# Altium PCB PCB SOM AM625.PcbDoc (part 4 of 6) (continued)
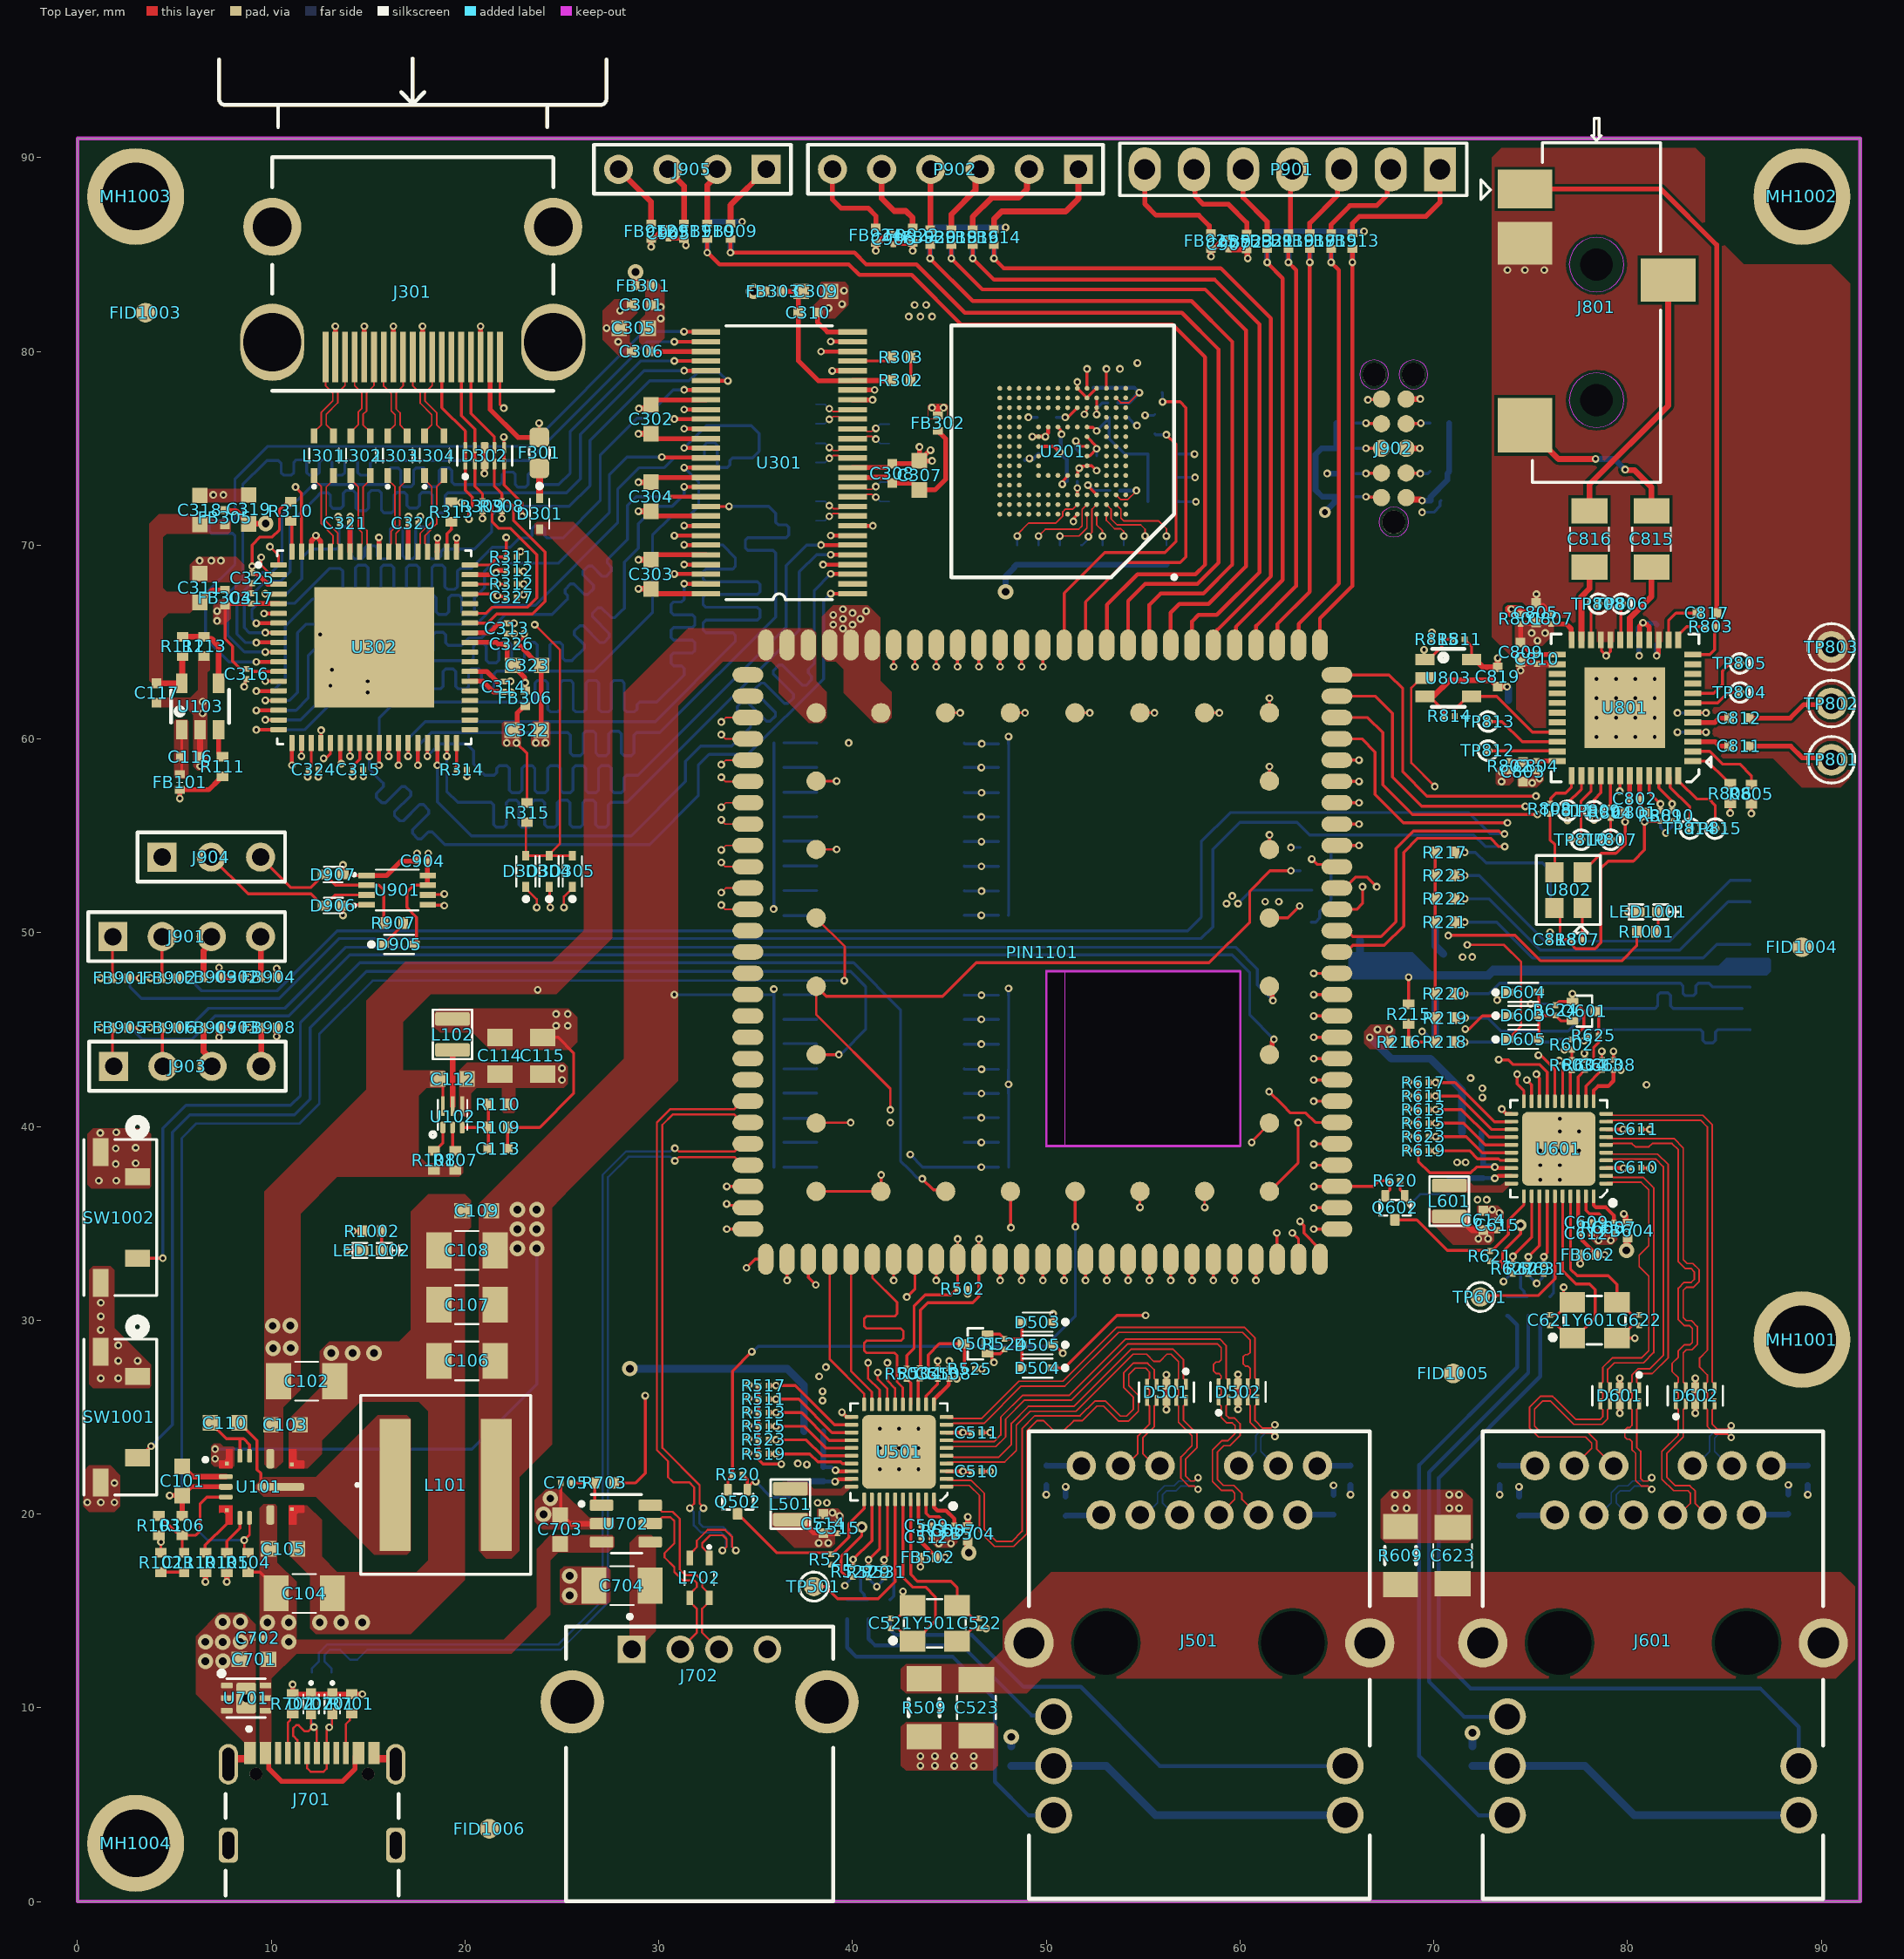
[diagram p0: Top Layer view]
## Nets (pads, with @x,y where several pads share a name; then routed paths per layer and width w, separated by ;. In a path a pad name is that pad's centre, name@x,y a point inside that pad or via, vN(x,y) a via of type N, cw(c..) or ccw(c..) an arc to the next point about the centre after c; other vN are vias at no path point) (continued)
  Top Layer w0.15: PIN1101.84@65,61.106 66.594,61.106 67.375,60.325 67.375,57.625 68.9,56.1 v1(75.35,56.1) ; v1(77.1,54.8) TP810.1@77.6,54.8 77.6,56.8 78.119,57.319 U801.39@78.119,58.106
  Layer 4 w0.122: v1(75.35,56.1) 75.8,56.1 v1(77.1,54.8)
MCASP0_AXR0: PIN1101.82 TP809.1 U801.40 | length 21.3
  Top Layer w0.15: PIN1101.82@65,63.306 67.694,63.306 68.4,62.6 68.4,58.3 69.65,57.05 v1(75.275,57.05) ; v1(78.275,55.825) TP809.1@78.275,56.275 78.275,56.875 78.619,57.219 U801.40@78.619,58.106
  Layer 4 w0.122: v1(75.275,57.05) 77.05,57.05 v1(78.275,55.825)
MCASP0_AXR2: PIN1101.85 R804.1 TP807.1 | length 19.1
  Top Layer w0.15: PIN1101.85@65,60.006 66.294,60.006 66.975,59.325 66.975,57.125 68.425,55.675 v1(73.8,55.675) ; v1(78.6,54.8) TP807.1@79.125,54.8 R804.1@79.125,55.935
  Layer 4 w0.122: v1(73.8,55.675) 75.45,55.675 76.775,54.35 78.15,54.35 v1(78.6,54.8)
MCU_I2C0_SCL: D904.2 FB906.2 PIN1101.127 | length 61.2
  Top Layer w0.15: FB906.2@5.15,45.1 v1(5.75,45.1)
  Top Layer w0.25: PIN1101.127@61.515,47.237 61.652,47.1 61.652,46.548 v1(61.7,46.5)
  Bottom Layer w0.15: D904.2@5.25,45.1 v1(5.75,45.1) 6.75,46.1 10.7,46.1 13.85,49.25 59.766,49.25 60.9,48.116 60.9,47.3 v1(61.7,46.5)
MCU_I2C0_SDA: D903.2 FB905.2 PIN1101.128 | length 66.1
  Top Layer w0.15: FB905.2@2.6,45.1 v1(3.2,45.1)
  Top Layer w0.25: PIN1101.128@61.515,43.708 61.659,43.852 61.659,44.368 61.75,44.459 v1(61.75,44.5)
  Bottom Layer w0.15: D903.2@2.7,45.1 D903.2@2.75,45.1 ; v1(3.2,45.1) D903.2@2.75,45.1 ; v1(61.75,44.5) 60.5,45.75 60.5,47.942 59.592,48.85 14.05,48.85 10.9,45.7 7.1,45.7 5.9,44.5 3.35,44.5 D903.2@2.75,45.1
MCU_MCAN0_RX: D909.2 FB910.2 PIN1101.71 | length 47.9
  Top Layer w0.2: FB910.2@32.5,85.8 v1(32.5,85.1) 32.527,85.1 33.127,84.5 39.8,84.5 40.35,83.95 43.05,83.95 45.6,81.4 56.5,81.4 58.2,79.7 58.2,69 57.7,68.5 54.7,68.5 53.121,66.921 PIN1101.71@53.121,64.85
  Bottom Layer w0.3: v1(32.5,85.1) D909.2@32.5,85.7
MCU_MCAN0_TX: D908.2 FB909.2 PIN1101.72 | length 47.3
  Top Layer w0.2: FB909.2@33.7,85.8 v1(33.7,85.1) 40.1,85.1 40.7,84.5 43.3,84.5 45.8,82 57,82 58.9,80.1 58.9,69.1 57.8,68 55.1,68 54.221,67.121 PIN1101.72@54.221,64.85
  Bottom Layer w0.3: v1(33.7,85.1) D908.2@33.7,85.7
MCU_PORz: PIN1101.111 SW1001.2 | length 64.7
  Top Layer w0.15: SW1001.2@2.989,22.9 3.179,22.9 3.779,23.5 v1(3.8,23.5) ; PIN1101.111@38.121,43.708 v1(39.292,43.708)
  Bottom Layer w0.15: v1(3.8,23.5) 4.9,24.6 4.9,39.7 5.8,40.6 11.2,40.6 12,41.4 12,45.1 14.9,48 39.9,48 40.675,47.225 40.675,45 39.488,43.813 39.465,43.813 39.36,43.708 v1(39.292,43.708)
MCU_SPI0_CLK: D916.2 FB917.2 PIN1101.79 | length 21.7
  Top Layer w0.2: PIN1101.79@61.921,64.85 61.921,65.921 63.6,67.6 FB917.2@63.6,85.3
  Bottom Layer w0.3: v1(63.6,84.6) D916.2@63.6,85.2
MCU_SPI0_CS0: D914.2 FB913.2 PIN1101.81 | length 21.7
  Top Layer w0.2: PIN1101.81@64.121,64.85 64.121,66.221 65.8,67.9 v1(65.8,84.6)
  Top Layer w0.25: v1(65.8,84.6) FB913.2@65.8,85.3
  Bottom Layer w0.3: v1(65.8,84.6) D914.2@65.8,85.2
MCU_SPI0_CS1: D915.2 FB915.2 PIN1101.80 | length 22.1
  Top Layer w0.2: PIN1101.80@63.021,64.85 63.021,65.939 65.1,68.018 65.1,84.2 v1(64.7,84.6) FB915.2@64.7,85.3
  Bottom Layer w0.3: v1(64.7,84.6) D915.2@64.7,85.2
MCU_SPI0_D0: D918.2 FB921.2 PIN1101.77 | length 22.4
  Top Layer w0.2: PIN1101.77@59.721,64.85 59.784,64.912 59.784,65.784 62.2,68.2 62.2,83.779 61.4,84.579 v1(61.4,84.6) FB921.2@61.4,85.3
  Bottom Layer w0.3: v1(61.4,84.6) D918.2@61.4,85.2
MCU_SPI0_D1: D917.2 FB919.2 PIN1101.78 | length 22.1
  Top Layer w0.2: PIN1101.78@60.821,64.85 60.834,64.862 60.834,65.834 62.9,67.9 62.9,84.2 v1(62.5,84.6) FB919.2@62.5,85.3
  Bottom Layer w0.3: v1(62.5,84.6) D917.2@62.5,85.2
MCU_UART0_CTS: D912.2 FB918.2 PIN1101.74 | length 36.8
  Top Layer w0.2: FB918.2@45.1,85.5 v1(45.1,84.8) 46.7,83.2 58.2,83.2 60.3,81.1 60.3,68.9 58.368,66.968 56.868,66.968 56.421,66.521 PIN1101.74@56.421,64.85
  Bottom Layer w0.3: v1(45.1,84.8) D912.2@45.1,85.4
MCU_UART0_RTS: D910.2 FB914.2 PIN1101.76 | length 35
  Top Layer w0.2: FB914.2@47.3,85.5 v1(47.3,84.8) 47.8,84.3 59,84.3 61.6,81.7 61.6,68.4 58.831,65.631 58.831,65.622 58.621,65.412 PIN1101.76@58.621,64.85
  Bottom Layer w0.3: v1(47.3,84.8) D910.2@47.3,85.4
MCU_UART0_RXD: D913.2 FB920.2 PIN1101.73 | length 37.4
  Top Layer w0.2: FB920.2@44,85.5 v1(44,84.8) 46.2,82.6 57.5,82.6 59.6,80.5 59.6,69 58.1,67.5 55.9,67.5 55.321,66.921 PIN1101.73@55.321,64.85
  Bottom Layer w0.3: v1(44,84.8) D913.2@44,85.4
MCU_UART0_TXD: D911.2 FB916.2 PIN1101.75 | length 36
  Top Layer w0.2: FB916.2@46.2,85.5 v1(46.2,84.8) 47.3,83.7 58.7,83.7 61,81.4 61,68.6 58.8,66.4 57.862,66.4 57.521,66.06 PIN1101.75@57.521,64.85
  Bottom Layer w0.3: v1(46.2,84.8) D911.2@46.2,85.4
MDC_1: R504.2 U501.13 | length 1.4
  Top Layer w0.15: U501.13@43.395,25.655 43.395,26.827 43.395,26.915 43.45,26.97 R504.2@43.5,26.97
MDC_2: R604.2 U601.13 | length 1.8
  Top Layer w0.15: U601.13@77.45,41.3 77.45,42.56 R604.2@77.8,42.91
MDIO0_MDC: PIN1101.17 R504.1 R604.1 | length 54.2
  Top Layer w0.15: R504.1@43.5,27.5 43.5,30.525 43.875,30.9 46.2,30.9 46.521,31.221 PIN1101.17@46.521,33.15 v1(46.521,34.196) ; v1(77.775,43.775) 77.787,43.763 77.787,43.453 R604.1@77.8,43.44
  Layer 3 w0.122: v1(46.521,34.196) 45.625,33.3 45,33.3 44.75,33.55 44.75,34.804 45.346,35.4 52.675,35.4 53.375,34.7 60.525,34.7 63.25,37.425 65.9,37.425 66.75,38.275 66.75,42.975 67.675,43.9 72.05,43.9 73.075,44.925 76.625,44.925 v1(77.775,43.775)
MDIO0_MDIO: PIN1101.18 R502.1 R503.1 R602.1 R603.1 | length 48.8
  Top Layer w0.15: R503.1@42.8,27.5 42.8,28.175 43.175,28.55 43.175,30.725 43.75,31.3 45.075,31.3 45.325,31.55 45.335,31.55 R502.1@45.41,31.625 ; PIN1101.18@45.421,33.15 PIN1101.18@45.425,33.146 ; R502.1@45.425,31.725 PIN1101.18@45.425,33.146 ; v1(45.425,34.192) PIN1101.18@45.425,33.146 ; v1@76.625,43.95 v1@76.63,43.955 ; v1@76.755,43.955 77.12,43.955 R602.1@77.125,43.96 R603.1@77.125,43.425
  Layer 3 w0.122: v1(45.425,34.192) 45.979,34.746 47.254,34.746 47.675,34.325 60.8,34.325 62.75,36.275 66.1,36.275 67.125,37.3 67.125,42.725 68,43.6 72.325,43.6 73.3,44.575 76.125,44.575 v1(76.75,43.95)
MDIO10_N: D501.4 D501.7 J501.10 U501.2 | length 28.6
  Top Layer w0.084: U501.2@44.845,21.805 44.898,21.752 45.182,21.752 45.202,21.732 46.13,21.732 46.804,21.058 46.804,19.205 47.43,18.579 48.22,18.579 48.75,19.109 48.75,24.409 49.407,25.066 51.741,25.066 52.5,25.825 53.059,25.825 53.83,25.054 54.145,25.054 54.496,25.405 54.496,26.02 54.074,26.441 54,26.516 54,27.3 54.479,27.779 55.23,27.779 55.505,27.505 55.579,27.43 55.579,27.11 55.577,27.108 55.577,26.99 55.626,26.941 55.642,26.941 55.7,26.883 D501.4@55.7,26.7 55.7,26.517 55.642,26.459 55.626,26.459 55.577,26.41 55.577,26.155 55.626,26.106 55.642,26.106 55.7,26.048 D501.7@55.7,25.865 55.7,25.682 55.642,25.624 55.626,25.624 55.577,25.575 55.577,24.518 54.979,23.92 54.979,23.121 55.613,22.487 J501.10@55.868,22.487
MDIO10_P: D501.5 D501.6 J501.11 U501.1 | length 28.6
  Top Layer w0.084: U501.1@44.845,21.405 44.898,21.458 45.182,21.458 45.202,21.478 46.025,21.478 46.55,20.953 46.55,19.1 47.325,18.325 48.325,18.325 49.004,19.004 49.004,21.929 49.004,24.304 49.512,24.812 49.863,24.812 50.375,24.3 50.9,24.3 51.412,24.812 51.846,24.812 52.605,25.571 52.954,25.571 53.725,24.8 54.25,24.8 54.75,25.3 54.75,26.125 54.65,26.225 54.254,26.621 54.254,27.195 54.584,27.525 55.125,27.525 55.325,27.325 55.325,27.215 55.323,27.213 55.323,26.99 55.274,26.941 55.258,26.941 55.2,26.883 D501.5@55.2,26.7 55.2,26.517 55.258,26.459 55.274,26.459 55.323,26.41 55.323,26.155 55.274,26.106 55.258,26.106 55.2,26.048 D501.6@55.2,25.865 55.2,25.682 55.258,25.624 55.274,25.624 55.323,25.575 55.323,24.623 54.725,24.025 54.725,23.125 54.087,22.487 J501.11@53.836,22.487
MDIO11_N: D501.1 D501.10 J501.5 U501.5 | length 27.1
  Top Layer w0.084: U501.5@44.845,23.005 44.898,22.952 45.182,22.952 45.202,22.932 47.548,22.932 48.196,23.58 48.196,24.68 49.07,25.554 51.42,25.554 54.366,28.5 56.55,28.5 57.077,27.973 57.077,26.99 57.126,26.941 57.142,26.941 57.2,26.883 D501.1@57.2,26.7 57.2,26.517 57.142,26.459 57.126,26.459 57.077,26.41 57.077,26.155 57.126,26.106 57.142,26.106 57.2,26.048 D501.10@57.2,25.865 57.2,25.682 57.142,25.624 57.126,25.624 57.077,25.575 57.077,24.848 57.775,24.15 57.775,23.416 57.2,22.841 57.2,21.952 57.45,21.702 57.624,21.702 57.797,21.875 v1(57.832,21.875)
  Bottom Layer w0.084: J501.5@54.852,19.947 55.122,19.947 55.741,20.566 55.741,21.085 56.111,21.456 56.603,21.456 56.849,21.702 57.624,21.702 57.797,21.875 v1(57.832,21.875)
MDIO11_P: D501.2 D501.9 J501.4 U501.4 | length 27.1
  Top Layer w0.084: U501.4@44.845,22.605 44.898,22.658 45.182,22.658 45.202,22.678 47.853,22.678 48.45,23.275 48.45,24.575 49.175,25.3 51.525,25.3 54.471,28.246 55.179,28.246 55.55,27.875 55.854,27.875 56.225,28.246 56.445,28.246 56.823,27.868 56.823,26.99 56.774,26.941 56.758,26.941 56.7,26.883 D501.2@56.7,26.7 56.7,26.517 56.758,26.459 56.774,26.459 56.823,26.41 56.823,26.155 56.774,26.106 56.758,26.106 56.7,26.048 D501.9@56.7,25.865 56.7,25.682 56.758,25.624 56.774,25.624 56.823,25.575 56.823,24.743 57.521,24.045 57.521,23.521 56.946,22.946 56.946,21.847 57.345,21.448 57.624,21.448 57.797,21.275 v1(57.832,21.275)
  Bottom Layer w0.084: J501.4@56.884,19.947 56.614,19.947 55.995,20.566 55.995,20.98 56.216,21.202 56.708,21.202 56.955,21.448 57.624,21.448 57.797,21.275 v1(57.832,21.275)
MDIO12_N: D502.2 D502.9 J501.2 U501.7 | length 28.7
  Top Layer w0.084: U501.7@44.845,23.805 44.898,23.752 45.182,23.752 45.202,23.732 47.298,23.732 47.646,24.08 47.646,24.996 48.779,26.129 51.195,26.129 54.091,29.025 58.95,29.025 59.277,28.698 59.277,27.007 59.326,26.958 59.342,26.958 59.4,26.9 D502.9@59.4,26.718 59.4,26.535 59.342,26.477 59.326,26.477 59.277,26.428 59.277,26.172 59.326,26.123 59.342,26.123 59.4,26.065 D502.2@59.4,25.883 59.4,25.7 59.279,25.579 59.279,25.1 59.425,24.954 59.705,24.954 60,24.659 60,24.05 59.475,23.525 59.159,23.525 58.829,23.195 58.829,21.78 59.134,21.475 59.684,21.475 60.101,21.058 60.101,20.749 60.903,19.947 J501.2@60.948,19.947
MDIO12_P: D502.1 D502.10 J501.3 U501.6 | length 28.6
  Top Layer w0.084: U501.6@44.845,23.405 44.898,23.458 45.182,23.458 45.202,23.478 47.403,23.478 47.9,23.975 47.9,24.891 48.884,25.875 51.3,25.875 54.196,28.771 58.845,28.771 59.023,28.593 59.023,27.959 58.905,27.841 58.757,27.841 58.638,27.722 58.638,27.367 58.757,27.249 58.905,27.249 59.023,27.13 59.023,27.062 59.023,27.007 58.974,26.958 58.958,26.958 58.9,26.9 D502.10@58.9,26.718 58.9,26.535 58.958,26.477 58.974,26.477 59.023,26.428 59.023,26.172 58.974,26.123 58.958,26.123 58.9,26.065 D502.1@58.9,25.883 58.9,25.7 59.025,25.575 59.025,24.995 59.32,24.7 59.6,24.7 59.746,24.554 59.746,24.155 59.37,23.779 59.054,23.779 58.575,23.3 58.575,21.675 59.029,21.221 59.579,21.221 59.725,21.075 59.725,20.756 J501.3@58.916,19.947
MDIO13_N: D502.5 D502.6 J501.9 U501.10 | length 27.1
  Top Layer w0.084: U501.10@44.845,25.005 44.898,24.952 45.182,24.952 45.202,24.932 46.673,24.932 48.595,26.854 50.854,26.854 53.629,29.629 60.23,29.629 60.777,29.082 60.777,27.007 60.826,26.958 60.842,26.958 60.9,26.9 D502.6@60.9,26.718 60.9,26.535 60.842,26.477 60.826,26.477 60.777,26.428 60.777,26.172 60.826,26.123 60.842,26.123 60.9,26.065 D502.5@60.9,25.883 60.9,25.7 60.842,25.642 60.826,25.642 60.777,25.593 60.777,24.823 61.173,24.427 61.593,24.427 61.766,24.6 v1(61.8,24.6)
  Bottom Layer w0.084: J501.9@59.932,22.487 60.069,22.487 60.821,23.239 60.821,24.053 61.195,24.427 61.593,24.427 61.766,24.6 v1(61.8,24.6)
MDIO13_P: D502.4 D502.7 J501.8 U501.9 | length 27.2
  Top Layer w0.084: U501.9@44.845,24.605 44.898,24.658 45.182,24.658 45.202,24.678 46.778,24.678 48.7,26.6 50.959,26.6 53.734,29.375 60.125,29.375 60.523,28.977 60.523,28.343 60.405,28.225 60.275,28.225 60.157,28.107 60.157,27.751 60.275,27.633 60.405,27.633 60.523,27.515 60.523,27.426 60.523,27.007 60.474,26.958 60.458,26.958 60.4,26.9 D502.7@60.4,26.718 60.4,26.535 60.458,26.477 60.474,26.477 60.523,26.428 60.523,26.172 60.474,26.123 60.458,26.123 60.4,26.065 D502.4@60.4,25.883 60.4,25.7 60.458,25.642 60.474,25.642 60.523,25.593 60.523,24.718 61.068,24.173 61.593,24.173 61.766,24 v1(61.8,24)
  Bottom Layer w0.084: v1(61.8,24) 61.766,24 61.593,24.173 61.3,24.173 61.075,23.948 61.075,23.232 61.82,22.487 J501.8@61.964,22.487
MDIO20_N: D601.4 D601.7 J601.10 U601.2 | length 27.3
  Top Layer w0.084: U601.2@78.9,37.45 78.953,37.397 79.237,37.397 79.257,37.377 80.807,37.377 81.28,36.905 81.354,36.83 81.354,28.329 80.825,27.8 79.309,27.8 78.977,27.468 78.977,26.807 79.026,26.758 79.042,26.758 79.1,26.7 D601.4@79.1,26.518 79.1,26.335 79.042,26.277 79.026,26.277 78.977,26.228 78.977,25.972 79.026,25.923 79.042,25.923 79.1,25.865 D601.7@79.1,25.683 79.1,25.5 79.042,25.442 79.026,25.442 78.977,25.393 78.977,24.918 78.684,24.625 77.225,24.625 76.029,25.821 75.605,25.821 75.204,25.42 75.204,24.53 75.509,24.225 77.95,24.225 78.404,23.771 78.404,23.369 J601.10@79.286,22.487
MDIO20_P: D601.5 D601.6 J601.11 U601.1 | length 27.3
  Top Layer w0.084: J601.11@77.254,22.487 78.15,23.383 78.15,23.666 77.845,23.971 75.404,23.971 74.95,24.425 74.95,25.525 75.5,26.075 76.134,26.075 76.23,25.98 76.409,25.8 77.33,24.879 78.579,24.879 78.723,25.023 78.723,25.377 78.6,25.5 D601.6@78.6,25.683 78.6,25.865 78.658,25.923 78.674,25.923 78.723,25.972 78.723,26.228 78.674,26.277 78.658,26.277 78.6,26.335 D601.5@78.6,26.518 78.6,26.7 78.658,26.758 78.674,26.758 78.723,26.807 78.723,27.573 79.204,28.054 80.72,28.054 81.1,28.434 81.1,32.275 80.6,32.775 80.6,33.35 81.1,33.85 81.1,36.725 80.702,37.123 79.257,37.123 79.237,37.103 78.953,37.103 U601.1@78.9,37.05
MDIO21_N: D601.1 D601.10 J601.5 U601.5 | length 25.8
  Top Layer w0.084: U601.5@78.9,38.65 78.953,38.597 79.237,38.597 79.257,38.577 81.557,38.577 82.1,38.034 82.1,28.075 81.271,27.246 80.655,27.246 80.477,27.068 80.477,26.807 80.526,26.758 80.542,26.758 80.6,26.7 D601.1@80.6,26.518 80.6,26.335 80.542,26.277 80.526,26.277 80.477,26.228 80.477,25.972 80.526,25.923 80.542,25.923 80.6,25.865 D601.10@80.6,25.683 80.6,25.5 80.542,25.442 80.526,25.442 80.477,25.393 80.477,23.432 80.675,23.234 80.675,21.834 80.809,21.7 81.043,21.7 81.218,21.875 v1(81.25,21.875)
  Bottom Layer w0.084: J601.5@78.27,19.947 78.54,19.947 79.159,20.566 79.159,21.085 79.53,21.456 80.021,21.456 80.268,21.702 81.043,21.702 81.216,21.875 v1(81.25,21.875)
MDIO21_P: D601.2 D601.9 J601.4 U601.4 | length 25.8
  Top Layer w0.084: U601.4@78.9,38.25 78.953,38.303 79.237,38.303 79.257,38.323 81.452,38.323 81.846,37.929 81.846,28.18 81.166,27.5 80.55,27.5 80.223,27.173 80.223,26.807 80.174,26.758 80.158,26.758 80.1,26.7 D601.2@80.1,26.518 80.1,26.335 80.158,26.277 80.174,26.277 80.223,26.228 80.223,25.972 80.174,25.923 80.158,25.923 80.1,25.865 D601.9@80.1,25.683 80.1,25.5 80.158,25.442 80.174,25.442 80.223,25.393 80.223,24.975 80.223,24.569 80.105,24.451 79.975,24.451 79.857,24.332 79.857,23.977 79.975,23.859 80.105,23.859 80.223,23.741 80.223,23.699 80.223,23.327 80.421,23.129 80.421,21.729 80.704,21.446 81.043,21.446 81.214,21.275 v1(81.25,21.275)
  Bottom Layer w0.084: J601.4@80.302,19.947 80.032,19.947 79.413,20.566 79.413,20.98 79.635,21.202 80.127,21.202 80.373,21.448 81.043,21.448 81.216,21.275 v1(81.25,21.275)
MDIO22_N: D602.2 D602.9 J601.2 U601.7 | length 27.3
  Top Layer w0.084: U601.7@78.9,39.45 78.953,39.397 79.237,39.397 79.257,39.377 82.398,39.377 82.877,38.898 82.877,33.125 83.077,32.925 83.375,32.925 83.7,32.6 83.7,32 83.396,31.696 83.03,31.696 82.877,31.543 82.877,30.132 83.03,29.979 83.296,29.979 83.6,29.675 83.6,28.75 83.325,28.475 83.034,28.475 82.877,28.318 82.877,26.807 82.926,26.758 82.942,26.758 83,26.7 D602.9@83,26.518 83,26.335 82.942,26.277 82.926,26.277 82.877,26.228 82.877,25.972 82.926,25.923 82.942,25.923 83,25.865 D602.2@83,25.683 83,25.5 82.942,25.442 82.926,25.442 82.877,25.393 82.877,23.968 82.029,23.12 82.029,21.905 82.475,21.459 83.217,21.459 83.495,21.181 83.495,20.53 84.078,19.947 J601.2@84.366,19.947
MDIO22_P: D602.1 D602.10 J601.3 U601.6 | length 27.3
  Top Layer w0.084: U601.6@78.9,39.05 78.953,39.103 79.237,39.103 79.257,39.123 80.227,39.123 80.4,38.95 81.102,38.95 81.275,39.123 82.293,39.123 82.623,38.793 82.623,33.02 82.972,32.671 83.27,32.671 83.446,32.495 83.446,32.105 83.291,31.95 82.925,31.95 82.623,31.648 82.623,30.027 82.925,29.725 83.191,29.725 83.346,29.57 83.346,28.855 83.22,28.729 82.929,28.729 82.623,28.423 82.623,28.098 82.3,27.775 82.3,27.35 82.623,27.027 82.623,26.807 82.574,26.758 82.558,26.758 82.5,26.7 D602.10@82.5,26.518 82.5,26.335 82.558,26.277 82.574,26.277 82.623,26.228 82.623,25.972 82.574,25.923 82.558,25.923 82.5,25.865 D602.1@82.5,25.683 82.5,25.5 82.558,25.442 82.574,25.442 82.623,25.393 82.623,24.073 81.775,23.225 81.775,21.8 82.37,21.205 83.112,21.205 83.241,21.076 83.241,20.541 82.647,19.947 J601.3@82.334,19.947
MDIO23_N: D602.5 D602.6 J601.9 U601.10 | length 25.9
  Top Layer w0.084: U601.10@78.9,40.65 78.953,40.597 79.237,40.597 79.257,40.577 83.882,40.577 84.377,40.082 84.377,26.807 84.426,26.758 84.442,26.758 84.5,26.7 D602.6@84.5,26.518 84.5,26.335 84.442,26.277 84.426,26.277 84.377,26.228 84.377,25.972 84.426,25.923 84.442,25.923 84.5,25.865 D602.5@84.5,25.683 84.5,25.5 84.442,25.442 84.426,25.442 84.377,25.393 84.377,24.623 84.623,24.377 85.143,24.377 85.316,24.55 v1(85.35,24.55)
  Bottom Layer w0.084: J601.9@83.35,22.487 83.487,22.487 84.239,23.239 84.239,24.021 84.593,24.375 85.143,24.375 85.318,24.55 v1(85.35,24.55)
MDIO23_P: D602.4 D602.7 J601.8 U601.9 | length 25.8
  Top Layer w0.084: U601.9@78.9,40.25 78.953,40.303 79.237,40.303 79.257,40.323 83.777,40.323 84.123,39.977 84.123,28.448 83.725,28.05 83.725,27.573 84.123,27.175 84.123,26.807 84.074,26.758 84.058,26.758 84,26.7 D602.7@84,26.518 84,26.335 84.058,26.277 84.074,26.277 84.123,26.228 84.123,25.972 84.074,25.923 84.058,25.923 84,25.865 D602.4@84,25.683 84,25.5 84.058,25.442 84.074,25.442 84.123,25.393 84.123,24.518 84.518,24.123 85.143,24.123 85.316,23.95 v1(85.35,23.95)
  Bottom Layer w0.084: v1(85.35,23.95) 85.314,23.95 85.143,24.121 84.698,24.121 84.493,23.916 84.493,23.232 85.238,22.487 J601.8@85.382,22.487
MDIO_1: R503.2 U501.14 | length 1.4
  Top Layer w0.15: R503.2@42.8,26.97 43,26.77 U501.14@43,25.65
MDIO_2: R603.2 U601.14 | length 1.7
  Top Layer w0.15: U601.14@77.05,41.3 77.05,42.82 R603.2@77.125,42.895 ; R603.2@77.13,42.89 R603.2@77.175,42.845
MFP0: R809.1 R812.2 U801.45 | length 2.4
  Top Layer w0.15: U801.45@81.119,58.106 81.119,57.231 v1(81.7,56.65) R809.1@81.7,56.29
  Bottom Layer w0.15: R812.2@81.7,56.29 v1(81.7,56.65)
MFP1: R810.1 R813.2 U801.46 | length 2.5
  Top Layer w0.15: U801.46@81.619,58.106 81.619,57.481 82.252,56.848 82.252,56.698 v1(82.3,56.65) R810.1@82.3,56.29
  Bottom Layer w0.15: R813.2@82.3,56.29 v1(82.3,56.65)
MFP2: TP814.1 U801.47 | length 3.2
  Top Layer w0.15: U801.47@82.119,58.106 82.196,58.029 82.196,57.504 83.225,56.475 TP814.1@83.225,55.375
MFP3: TP815.1 U801.48 | length 3.9
  Top Layer w0.15: U801.48@82.619,58.106 82.619,57.827 82.696,57.75 82.725,57.75 83.575,56.9 84.2,56.9 84.525,56.575 TP815.1@84.525,55.375
MIC_IN: C817.1 J801.1 R803.1 U801.12 | length 33.3
  Top Layer w0.15: U801.12@83.369,64.357 84.257,64.357 84.5,64.6 84.5,65.735 R803.1@84.565,65.8 84.565,66.465 C817.1@84.6,66.5
  Top Layer w0.25: J801.1@74.7,88.385 81.715,88.385 84.6,85.5 C817.1@84.6,66.5
MMC1_CLK: D210.2 J201.5 PIN1101.88 R221.1 | length 32.1
  Top Layer w0.15: PIN1101.88@65,56.706 v1(66.144,56.706) ; R221.1@71.075,50.55 v1(71.6,50.55)
  Layer 4 w0.122: v1(66.144,56.706) 66.589,57.15 67.104,57.15 67.4,56.855 67.4,56.1 67.4,56.039 67.526,55.913 67.938,55.913 68.064,55.787 68.064,55.409 67.938,55.283 67.526,55.283 67.4,55.157 67.4,55.043 67.4,54.7 67.8,54.3 68.4,54.3 69.1,53.6 71.675,53.6 72.075,53.2 72.075,52.617 72.075,52.556 72.201,52.43 72.709,52.43 72.835,52.304 72.835,51.926 72.709,51.8 72.201,51.8 72.075,51.674 72.075,51.188 72.075,51.025 v1(71.6,50.55)
  Bottom Layer w0.15: D210.2@71.075,50.55 v1(71.6,50.55) 73.25,50.55 75.1,48.7 83.9,48.7 84.6,49.4 86.31,49.4 J201.5@86.325,49.385
MMC1_CMD: D209.2 J201.3 PIN1101.89 R220.1 | length 32.1
  Top Layer w0.15: PIN1101.89@65,55.606 v1(66.144,55.606) ; R220.1@71.075,46.85 v1(71.6,46.85)
  Layer 4 w0.122: v1(66.144,55.606) 65.65,55.112 65.65,53.25 66.025,52.875 67.2,52.875 67.637,52.438 67.637,47.788 68.575,46.85 v1(71.6,46.85)
  Bottom Layer w0.15: D209.2@71.075,46.85 72.85,46.85 73.4,47.4 81.997,47.4 82.73,47.4 82.862,47.268 82.862,46.883 82.993,46.751 83.388,46.751 83.52,46.883 83.52,47.268 83.651,47.4 84.018,47.4 84.2,47.4 84.4,47.2 86.31,47.2 J201.3@86.325,47.185
MMC1_D0: D211.2 J201.7 PIN1101.90 R222.1 | length 32.1
  Top Layer w0.15: PIN1101.90@65,54.506 v1(66.144,54.506) ; R222.1@71.075,51.75 v1(71.6,51.75)
  Layer 4 w0.122: v1(66.144,54.506) 66.144,53.606 66.375,53.375 67.425,53.375 68.3,52.5 68.3,49.1 68.8,48.6 69.3,48.6 69.9,49.2 69.9,51.45 70.2,51.75 v1(71.6,51.75)
  Bottom Layer w0.15: D211.2@71.075,51.75 v1(71.6,51.75) 72.85,51.75 75.5,49.1 82.7,49.1 85.2,51.6 86.31,51.6 J201.7@86.325,51.585
MMC1_D1: D212.2 J201.8 PIN1101.91 R223.1 | length 32.1
  Top Layer w0.15: v1(63.7,53.8) 63.975,53.525 64.881,53.525 PIN1101.91@65,53.406 ; R223.1@71.075,52.95 v1(71.6,52.95)
  Layer 4 w0.122: v1(63.7,53.8) 63.7,55.6 64.2,56.1 66.6,56.1 66.9,55.8 66.9,54.2 67.2,53.9 67.6,53.9 68.496,53.004 68.55,52.95 70.506,52.95 v1(71.6,52.95)
  Bottom Layer w0.15: D212.2@71.075,52.95 v1(71.6,52.95) 72.35,52.95 74.6,50.7 75.738,49.562 82.162,49.562 85.3,52.7 86.31,52.7 J201.8@86.325,52.685
MMC1_D2: D207.2 J201.1 PIN1101.92 R218.1 | length 32.1
  Top Layer w0.15: PIN1101.92@65,52.306 65.4,52.306 65.969,52.875 66.55,52.875 v1(67.05,52.375) ; R218.1@71.075,44.35 v1(71.6,44.35)
  Layer 4 w0.122: v1(67.05,52.375) 67.05,47.225 68.075,46.2 71.725,46.2 72.15,45.775 72.15,44.9 v1(71.6,44.35)
  Bottom Layer w0.15: D207.2@71.075,44.35 76.05,44.35 76.2,44.5 77.1,44.5 77.6,45 83.023,45 83.756,45 83.887,44.868 83.887,44.448 84.019,44.316 84.414,44.316 84.545,44.448 84.545,44.868 84.677,45 85.025,45 86.31,45 J201.1@86.325,44.985
MMC1_D3: D208.2 J201.2 PIN1101.93 R219.1 | length 32.1
  Top Layer w0.15: PIN1101.93@65,51.206 66.025,51.206 66.325,51.506 v1(66.325,52.375) ; R219.1@71.1,45.6 v1(71.625,45.6)
  Layer 4 w0.122: v1(66.325,52.375) 66.325,51 66.325,50.537 66.199,50.411 65.765,50.411 65.639,50.285 65.639,49.907 65.765,49.781 66.199,49.781 66.325,49.655 66.325,49.594 66.325,46.95 67.675,45.6 v1(71.625,45.6)
  Bottom Layer w0.15: D208.2@71.1,45.6 72.8,45.6 73.475,44.925 76.925,44.925 78.085,46.085 81.351,46.085 81.426,46.085 81.558,46.217 81.558,46.767 81.69,46.899 82.084,46.899 82.216,46.767 82.216,46.217 82.348,46.085 82.656,46.085 J201.2@85.925,46.085
MMC1_SDCD: D206.2 J201.9 PIN1101.86 R217.1 | length 22.5
  Top Layer w0.15: PIN1101.86@65,58.906 v1(66.144,58.906) ; R217.1@71.075,54.15 v1(71.6,54.15)
  Layer 4 w0.122: v1(66.144,58.906) 68.194,58.906 68.5,58.6 68.5,57.8 68.5,57.739 68.626,57.613 69.206,57.613 69.332,57.487 69.332,57.109 69.206,56.983 68.622,56.983 68.496,56.857 68.496,56.479 68.622,56.353 69.206,56.353 69.332,56.227 69.332,55.849 69.206,55.723 68.626,55.723 68.5,55.597 68.5,55.205 68.5,55 69.35,54.15 69.954,54.15 70.015,54.15 70.141,54.276 70.141,55.013 70.267,55.139 70.645,55.139 70.771,55.013 70.771,54.276 70.897,54.15 71.15,54.15 v1(71.6,54.15)
  Bottom Layer w0.15: D206.2@71.075,54.15 72.15,54.15 72.7,53.6 75.6,53.6 76.025,53.175 J201.9@76.025,51.675
NetC111_1: C111.1 R102.1 | length 1.2
  Top Layer w0.15: R102.1@4.3,17 C111.1@5.5,17
NetC113_1: C113.1 R109.1 R110.1 U102.3 | length 3.6
  Top Layer w0.15: U102.3@19.855,39.948 21.198,39.948 R109.1@21.2,39.95 ; C113.1@21.2,38.85 R109.1@21.2,39.95 ; R110.1@21.2,41.15 R109.1@21.2,39.95
NetC116_1: C116.1 FB101.2 U103.1 | length 2.3
  Top Layer w0.15: FB101.2@5.275,58.175 5.375,58.275 U103.1@5.375,60.475
NetC705_1: C705.1 R703.2 U702.1 | length 2.6
  Top Layer w0.15: C705.1@25.465,21.6 R703.2@26.7,21.6 26.7,20.665 26.915,20.45 U702.1@27.045,20.45
NetC811_1: C811.1 U801.3 | length 2
  Top Layer w0.25: U801.3@83.369,59.856 84.519,59.856 84.75,59.625 C811.1@85.25,59.625
NetC811_2: C811.2 TP801.1 | length 4.6
  Top Layer w0.25: C811.2@86.25,59.625 88.425,59.625 89.025,59.025 90.425,59.025 TP801.1@90.525,58.925
NetC812_1: C812.1 U801.5 | length 2
  Top Layer w0.25: U801.5@83.369,60.856 84.506,60.856 84.725,61.075 C812.1@85.25,61.075
NetC812_2: C812.2 TP802.1 | length 4.6
  Top Layer w0.25: C812.2@86.25,61.075 88.4,61.075 89.1,61.775 90.475,61.775 TP802.1@90.525,61.825
NetC813_1: C813.1 U801.4 | length 1.1
  Top Layer w0.15: U801.4@83.369,60.357 83.372,60.353 84.047,60.353 v1(84.05,60.35)
  Bottom Layer w0.15: C813.1@83.64,60.35 v1(84.05,60.35)
NetC814_1: C814.1 U801.6 | length 1.1
  Top Layer w0.15: U801.6@83.369,61.357 83.372,61.353 84.047,61.353 v1(84.05,61.35)
  Bottom Layer w0.15: C814.1@83.64,61.35 v1(84.05,61.35)
NetC817_2: C817.2 U801.14 | length 2.7
  Top Layer w0.15: U801.14@82.119,65.107 82.119,66.119 82.5,66.5 C817.2@83.6,66.5
NetD204_1: D204.1 D205.1 R214.1 U202.3 | length 4.4
  Bottom Layer w0.15: U202.3@63.69,50.55 63.902,50.55 64.117,50.765 64.117,51.117 64.7,51.7 R214.1@64.7,52.2 D205.1@64.7,53.2 D204.1@64.7,54.4
NetD301_2: D301.2 F301.1 | length 1.5
  Top Layer w0.35: F301.1@23.836,73.966 23.847,73.954 23.847,72.428 D301.2@23.85,72.425
NetD503_1: D503.1 D504.1 D505.1 Q501.2 R524.1 | length 4.3
  Top Layer w0.15: Q501.2@46.97,29.275 47.6,29.275 R524.1@47.845,29.03 48.745,29.03 ; D504.1@48.745,27.53 D503.1@48.745,29.93
NetD603_1: D603.1 D604.1 D605.1 Q601.2 R624.1 | length 4.3
  Top Layer w0.15: D605.1@75.425,44.5 D603.1@75.425,45.725 ; D604.1@75.425,46.925 D603.1@75.425,45.725 ; Q601.2@77.155,45.45 76.55,45.45 R624.1@76.275,45.725 D603.1@75.425,45.725
NetD905_2: D905.2 R907.2 | length 1.6
  Top Layer w0.15: D905.2@15.8,49.4 15.876,49.4 15.979,49.503 15.979,49.579 16.625,50.225 16.625,50.325 R907.2@16.8,50.5